# Altium PCB display.PcbDoc (part 4 of 5)
Units mm, origin at the board's own origin, x right, y up, seen from the top; angles counter-clockwise.
Board outline 150 x 85 mm, 4 copper layers (Component Side, Inner, GND1, Bottom Layer), stack 1.669 mm thick; 347 components, 347 nets, 1334 pads, 795 vias.
Unrouted connection lines stored in the file: 15.
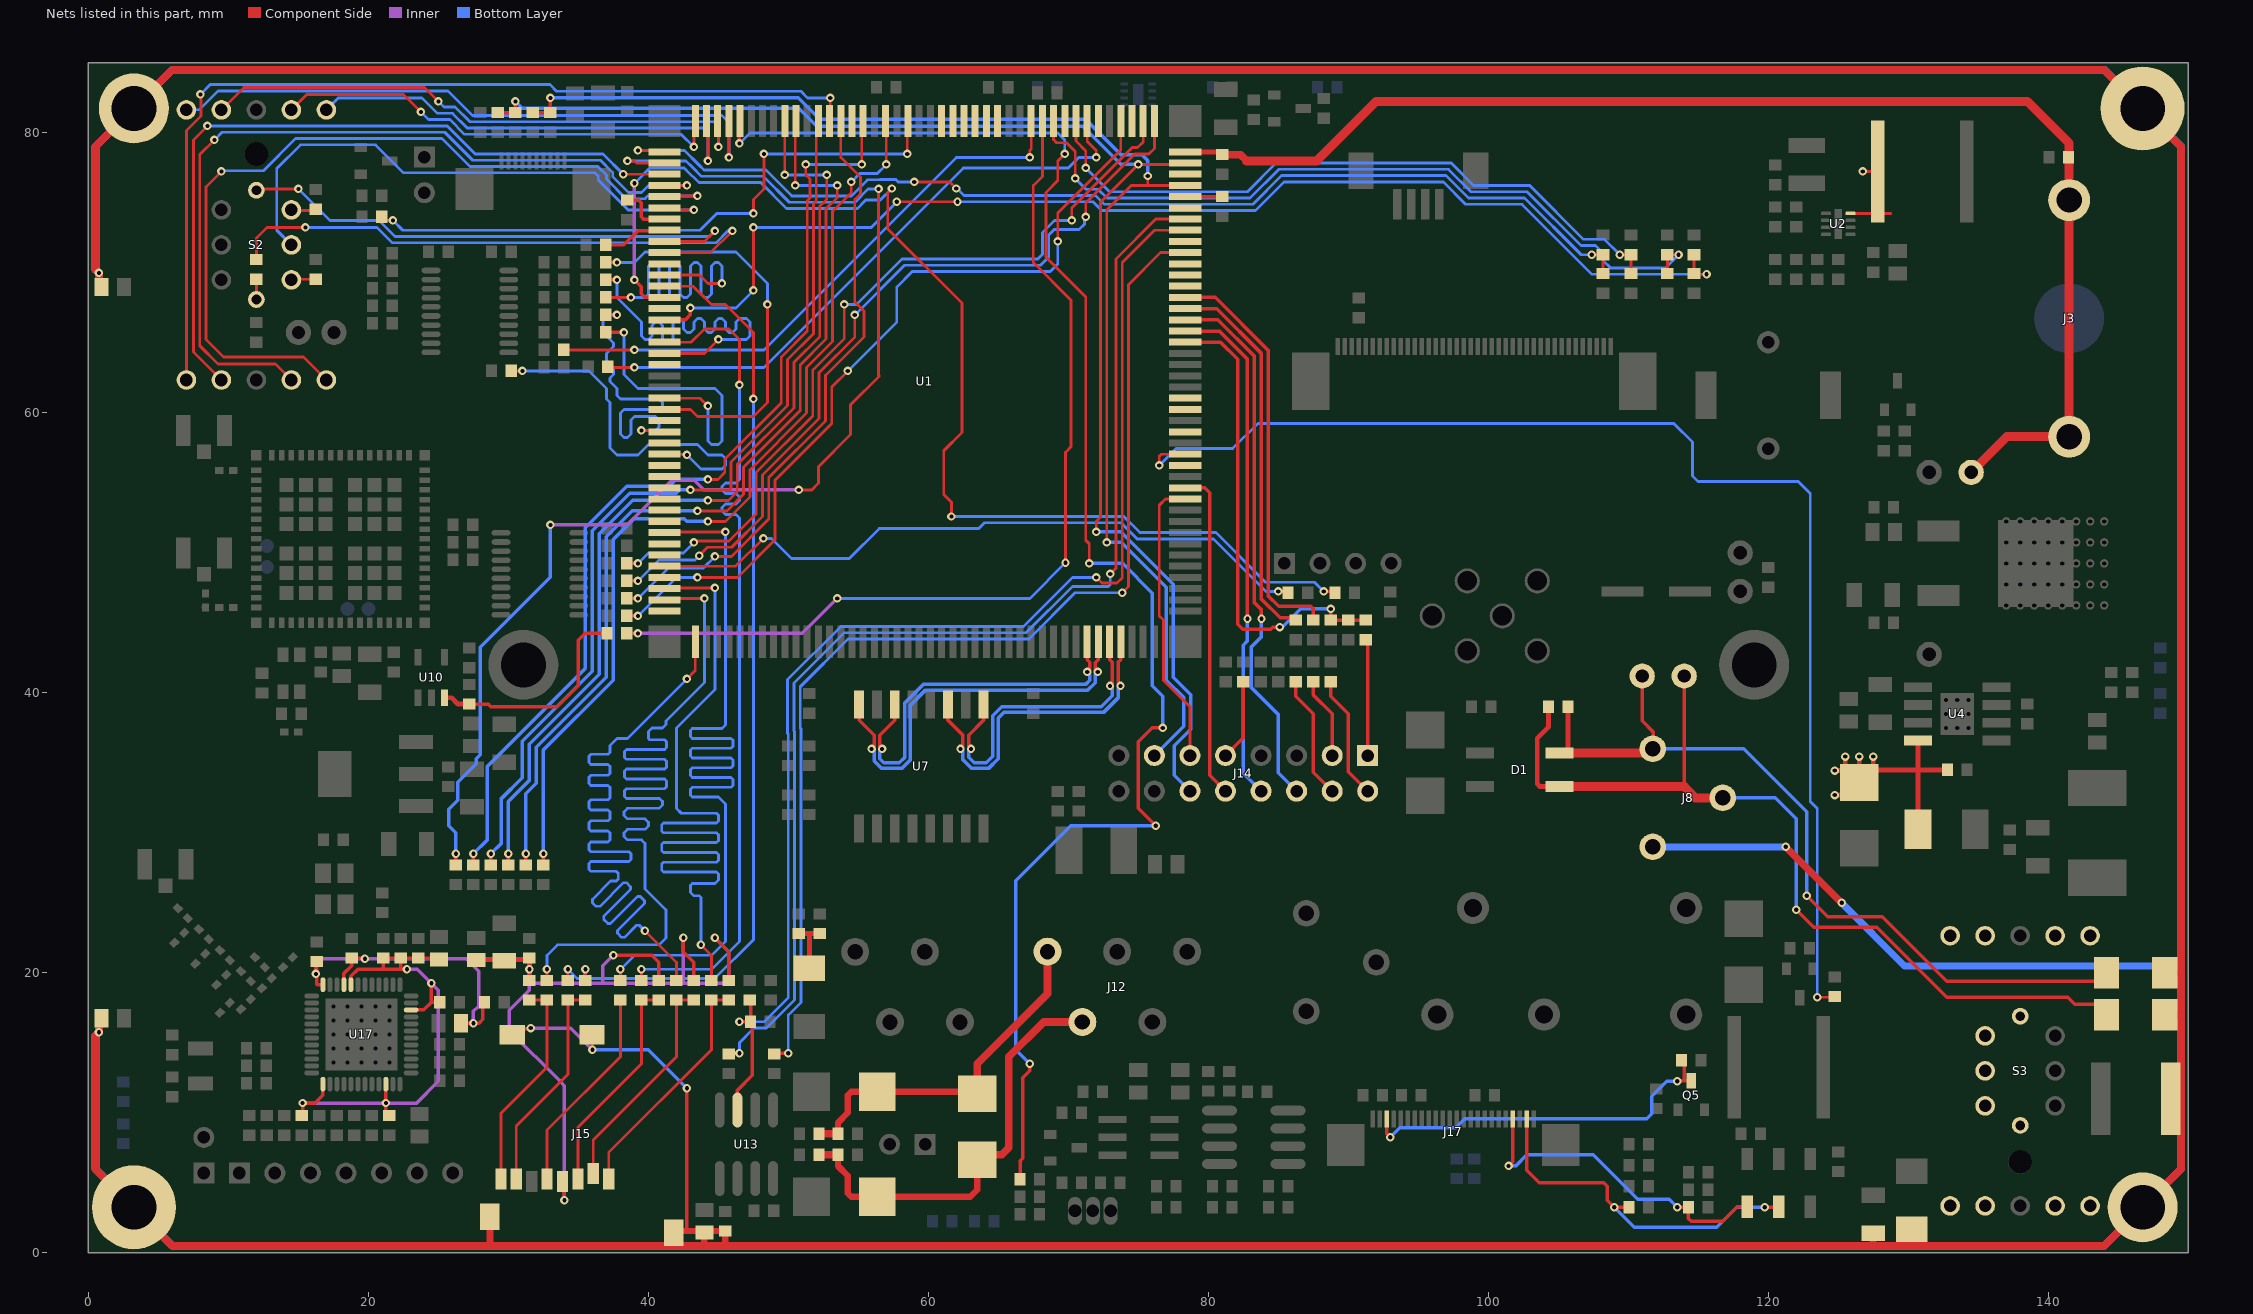
[diagram p6: the nets of this part, all layers, seen from the top]

## Via types
v1: diameter 0.6, hole 0.3, Component Side to Bottom Layer, 795 vias

## Nets (pads, with @x,y where several pads share a name; then routed paths per layer and width w, separated by ;. In a path a pad name is that pad's centre, name@x,y a point inside that pad or via, vN(x,y) a via of type N, cw(c..) or ccw(c..) an arc to the next point about the centre after c; other vN are vias at no path point) (continued)
PB15_G0_TX3_SPI2_NPCS2_PWML0_E2: R76.2 U1.99 | length 91.3
  Component Side w0.2: v1(76.5,56.25) 76.5,56.9 76.65,57.05 U1.99@78.35,57.05 ; v1(123.5,18.25) R76.2@124.75,18.25
  Bottom Layer w0.2: v1(76.5,56.25) 77.7,57.45 81.741,57.45 83.541,59.25 113.25,59.25 114.581,57.919 114.581,55.5 114.981,55.1 122.15,55.1 123,54.25 123,32.25 123.5,31.75 v1(123.5,18.25)
PB18_SPI1_MISO_K2: J14.8 U1.110 | length 36.8
  Component Side w0.25: U1.110@78.35,65.85 80.779,65.85 82.8,63.829 v1(82.8,45.3)
  Bottom Layer w0.25: v1(82.8,45.3) 82.8,43.712 82.5,43.412 82.5,34.25 J14.8@83.77,32.98
PB19_SPI1_MOSI_C1: J14.11 U1.95 | length 20.8
  Component Side w0.2: U1.95@78.35,53.85 76.95,53.85 76.5,53.4 76.5,45.5 76.8,45.2 76.8,40.9 78.69,39.01 J14.11@78.69,35.52
PB20_SPI1_SPCK__D1: J14.10 U1.96 | length 23.7
  Component Side w0.25: U1.96@78.35,54.65 79.75,54.65 80.1,54.3 80.1,34.11 J14.10@81.23,32.98
PB21_SPI1_NPCS0_L3: J14.6 U1.111 | length 38.9
  Component Side w0.25: U1.111@78.35,66.65 80.686,66.65 83.3,64.036 83.3,46.45 83.8,45.95 v1(83.8,45.3)
  Bottom Layer w0.25: v1(83.8,45.3) 83.8,44.004 83.075,43.28 83.075,40.382 85,38.457 85,34.29 J14.6@86.31,32.98
PB22_SPI1_NPCS1_G1: U1.101
PB23_SPI1_NPCS2_H1: U1.103
PB24_DRXD_TDI_E1: U1.98
PB25_DTXD_TDO_J1: U1.104
PB26_PCK0_RK0_PWMH0_M5: R145.2 U1.157 | length 66.9
  Component Side w0.2: v1(43,54.5) 45.841,54.5 45.9,54.559 45.9,56.491 49.95,60.541 49.95,63.801 51.8,65.651 51.8,74.959 52,75.159 52,80.7 U1.157@52.15,80.85
  Component Side w0.25: R145.2@28.75,27.7 v1(28.75,28.5)
  Bottom Layer w0.25: v1(28.75,28.5) 29.475,29.225 29.475,32.42 31,33.945 31,36.536 36,41.536 36,51.576 38.674,54.25 42,54.25 42.25,54.5 v1(43,54.5)
PB27_SPI1_NPCS3_TK0_PWML0_L2: R120.2 U1.113 | length 29.4
  Component Side w0.25: U1.113@78.35,68.25 80.5,68.25 84.3,64.45 84.3,46.907 85.032,46.175 87.325,46.175 87.5,46 R120.2@87.5,45.2
PB28_SPI2_NPCS3_TD0_PWMH1_K1: R116.2 R122.2 R124.2 U1.109 | length 33.9
  Component Side w0.25: U1.109@78.35,65.05 80.872,65.05 82.1,63.822 82.1,44.9 82.45,44.55 84.45,44.55 84.6,44.7 85.1,44.7 v1(85.104,44.695) ; v1(88.75,46) R122.2@88.75,45.2 R116.2@90,45.2 R124.2@91.25,45.2
  Bottom Layer w0.25: v1(85.104,44.695) 85.295,44.695 86.6,46 v1(88.75,46)
PB29_TWD2_RD0_PWML1_M3: R50.1 U1.137 | length 66.5
  Component Side w0.2: U1.137@68.15,80.85 68.15,76.9 67.5,76.25 67.5,70.75 70.2,68.05 70.2,57.583 69.8,57.183 v1(69.8,49.3)
  Component Side w0.25: R50.1@38.45,44.25 v1(39.25,44.25)
  Inner w0.25: v1(39.25,44.25) 51,44.25 v1(53.5,46.75)
  Bottom Layer w0.2: v1(53.5,46.75) 67.25,46.75 v1(69.8,49.3)
PB30_TWCK2_RF0_M4: U1.129
PB31_TF0_L1: R118.2 U1.112 | length 27.4
  Component Side w0.25: U1.112@78.35,67.45 80.593,67.45 83.8,64.243 83.8,46.7 85.13,45.37 86.08,45.37 R118.2@86.25,45.2
PC0_SPI0_MISO_PWMH2_ISI_D8: R147.2 U1.153 | length 70.8
  Component Side w0.2: v1(44.25,55.25) 44.977,55.25 45.45,55.723 45.45,56.678 49.5,60.728 49.5,63.988 51.35,65.838 51.35,75.146 51.55,75.346 51.55,76.7 51.25,77 v1(51.25,77.75) ; v1(55.25,77.75) 55.25,80.75 U1.153@55.35,80.85
  Component Side w0.25: R147.2@27.5,27.7 v1(27.5,28.5)
  Bottom Layer w0.2: v1(51.25,77.75) v1(55.25,77.75)
  Bottom Layer w0.25: v1(27.5,28.5) 28.475,29.475 28.475,34.718 35.5,41.743 35.5,51.783 38.467,54.75 41.5,54.75 42,55.25 v1(44.25,55.25)
PC1_SPI0_MOSI_PWML2_ISI_D9_P8: R149.2 U1.159 | length 69.4
  Component Side w0.2: v1(43.5,53) 45.614,53 46.8,54.186 46.8,56.118 50.85,60.168 50.85,63.428 52.7,65.278 52.7,74.586 53.5,75.386 v1(53.5,76.25) ; v1(50.5,76.25) 50.5,80.8 U1.159@50.55,80.85
  Component Side w0.25: R149.2@31.25,27.7 v1(31.25,28.5)
  Bottom Layer w0.2: v1(50.5,76.25) v1(53.5,76.25)
  Bottom Layer w0.25: v1(31.25,28.5) 31.25,32.781 32,33.531 32,36.121 37,41.121 37,51.162 38.838,53 v1(43.5,53)
PC2_SPI0_SPCK_PWMH3_ISI_D10_V5: R151.2 U1.151 | length 68.1
  Component Side w0.2: v1(44.25,52.25) 45.5,52.25 47.25,54 47.25,55.932 51.3,59.982 51.3,63.242 53.15,65.092 53.15,74.4 54.5,75.75 v1(54.5,76.5) ; U1.151@56.95,80.85 57,80.8 v1(57,77.75)
  Component Side w0.25: R151.2@32.5,27.7 v1(32.5,28.5)
  Bottom Layer w0.2: v1(54.5,76.5) 55.1,77.1 56.35,77.1 v1(57,77.75)
  Bottom Layer w0.25: v1(32.5,28.5) 32.5,35.914 37.5,40.914 37.5,50.955 38.97,52.425 42.575,52.425 42.75,52.25 v1(44.25,52.25)
PC3_SPI0_NPCS0_PWML3_ISI_D11_T9: R152.2 U1.2 | length 93.6
  Component Side w0.2: v1(38.5,78) 39,78 39.15,77.85 U1.2@41.15,77.85 ; v1(50.75,54.5) 51.669,54.5 52.15,54.981 52.15,56.15 54.45,58.45 54.45,60.586 56.5,62.636 56.45,62.686 v1(56.45,76)
  Component Side w0.25: R152.2@26.25,27.7 v1(26.25,28.5)
  Inner w0.25: v1(33,52) 38.5,52 41.675,55.175 43.28,55.175 43.955,54.5 v1(50.75,54.5)
  Bottom Layer w0.2: v1(38.5,78) 42.694,78 43.15,77.544 ; 43.15,77.544 43.794,76.9 48.214,76.9 50.064,75.05 54.744,75.05 55.694,76 v1(56.45,76)
  Bottom Layer w0.25: v1(26.25,28.5) 26.25,30 25.75,30.5 25.75,31.695 26.375,32.32 26.375,33.625 27.696,34.946 27.696,35.282 28,35.586 28,43.25 33,48.25 v1(33,52)
PC4_SPI0_NPCS1_MCI0_CK_PCK1_W5_INT: R56.2 U1.138 | length 41.6
  Component Side w0.2: R56.2@33.95,64.5 v1(39,64.5) ; v1(67.25,78.25) 67.25,78.75 67.35,78.85 U1.138@67.35,80.85
  Bottom Layer w0.2: v1(39,64.5) 48.25,64.5 62,78.25 v1(67.25,78.25)
PC19_ISI_D0_TK1_U14: R15.2 U1.7 | length 3.8
  Component Side w0.25: R15.2@38.5,75.2 39.3,75.2 39.5,75 39.5,74 39.65,73.85 U1.7@41.15,73.85
PC20_ISI_D1_TF1_V11: S2.R4 S3.R4 U1.3 | length 53.5
  Component Side w0.2: v1(8.5,80.5) 7.5,79.5 7.5,64.35 S2.R4@9.5,62.35 ; v1(38.207,77.05) U1.3@41.15,77.05
  Bottom Layer w0.2: v1(8.5,80.5) 25.636,80.5 27.636,78.5 36.757,78.5 v1(38.207,77.05)
PC21_ISI_D2_TD1_U15: R16.2 U1.8 | length 4.6
  Component Side w0.25: R16.2@36.95,72 38.25,72 39.275,73.025 41.15,73.025 U1.8@41.15,73.05
PC23_ISI_D4_RD1_U16: R101.2 U1.10 | length 42.2
  Component Side w0.2: R101.2@12,70.95 12,72.5 12.75,73.25 v1(15.5,73.25) ; U1.10@41.15,71.45 44.45,71.45 v1(46,73)
  Bottom Layer w0.2: v1(15.5,73.25) 20.614,73.25 21.714,72.15 44.819,72.15 45.669,73 v1(46,73)
PC25_ISI_D6_TWD3_URXD1_V17: U1.25
PC26_ISI_D7_TWCK3_UTXD1_R16: U1.11
PC27_AD0_SPI0_NPCS1_PWML0_U12: R11.2 R12.2 U1.136 | length 55.4
  Component Side w0.2: U1.136@68.95,80.85 68.95,79.519 69.169,79.3 69.869,79.3 70.5,78.669 v1(70.5,76.75) ; R12.2@112.8,69.95 R11.2@112.8,71.3 v1(113.6,71.3)
  Bottom Layer w0.2: v1(70.5,76.75) 71.269,75.981 72.133,75.981 72.764,75.35 82.986,75.35 85.036,77.4 97.168,77.4 98.768,75.8 102.778,75.8 106.628,71.95 107.669,71.95 108.2,71.419 108.2,70.9 108.75,70.35 112.65,70.35 v1(113.6,71.3)
PC28_AD1_SPI0_NPCS2_PWML1_T11: R7.2 R8.2 U1.134 | length 48.2
  Component Side w0.2: U1.134@70.55,80.85 70.55,79.419 71.25,78.719 v1(71.25,77.5) ; v1(109.4,71.3) R8.2@110.2,71.3 R7.2@110.2,69.95
  Bottom Layer w0.2: v1(71.25,77.5) 72.95,75.8 82.8,75.8 84.85,77.85 97.355,77.85 98.955,76.25 102.965,76.25 106.815,72.4 108.3,72.4 v1(109.4,71.3)
PC29_AD2_SPI0_NPCS3_PWMFI0_R13: R13.2 R14.2 U1.16 | length 87.2
  Component Side w0.2: v1(47.5,68.75) v1(47.5,73.25) ; v1(57.75,75.081) v1(62.081,75.081) ; R14.2@114.7,71.3 R13.2@114.7,69.95 114.75,69.9 v1(115.6,69.9)
  Component Side w0.25: U1.16@41.15,66.65 42.65,66.65 43,67 v1(43,67.5)
  Bottom Layer w0.2: v1(43,67.5) 46.25,67.5 v1(47.5,68.75) ; v1(47.5,73.25) 55.919,73.25 v1(57.75,75.081) v1@57.75,75.25 ; v1(62.081,75.081) 71.76,75.081 72.391,74.45 83.359,74.45 85.409,76.5 96.796,76.5 98.396,74.9 102.406,74.9 107.406,69.9 v1(115.6,69.9)
PC30_AD3_PWMH0_T12: R9.2 R10.2 U1.1 | length 78.1
  Component Side w0.2: v1(39.25,78.75) 40.75,78.75 41,78.5 U1.1@41.15,78.65 ; v1(59,76.5) 61.531,76.5 v1(62,76.031) ; v1(107.4,71.3) R9.2@108.2,71.3 R10.2@108.2,69.95
  Bottom Layer w0.2: v1(39.25,78.75) 42.581,78.75 43.6,77.731 43.981,77.35 48.4,77.35 50.25,75.5 54.5,75.5 55.65,76.65 56.536,76.65 56.567,76.681 57.669,76.681 57.85,76.5 v1(59,76.5) ; v1(62,76.031) 62.05,76.031 62.55,75.531 71.946,75.531 72.577,74.9 83.173,74.9 85.223,76.95 96.982,76.95 98.582,75.35 102.592,75.35 106.642,71.3 v1(107.4,71.3)
PC31_AD4_PWMH1_T13: S2.P2 S3.P2 U1.6 | length 40.6
  Component Side w0.2: U1.6@41.15,74.65 41.3,74.5 v1(43.25,74.5)
  Bottom Layer w0.2: S2.P2@14.5,72 13.45,73.05 13.45,77.45 15.15,79.15 20.5,79.15 22.5,77.15 36.197,77.15 36.416,76.932 36.416,76.649 38.565,74.5 v1(43.25,74.5)
PD8_PCK0_M1: U1.114
PD9_FIQ_M2: U1.115
PD10_CTS0_N2: U1.118
PD11_RTS0_SPI2_MISO_N3: R67.2 R73.2 U1.119 U13.3 | length 91.3
  Component Side w0.2: v1(72,48.25) 72.4,47.85 73.486,47.85 73.85,48.214 73.85,70.743 76.157,73.05 U1.119@78.35,73.05
  Component Side w0.25: U13.3@46.365,10.2 46.365,11.615 47.425,12.675 47.425,16.375 R67.2@47.3,16.5 ; v1(46.5,16.5) R67.2@47.3,16.5 ; R73.2@47.25,18.05 47.3,18 R67.2@47.3,16.5
  Bottom Layer w0.2: v1(46.5,16.5) 48.25,16.5 50,18.25 50,37.058 49.95,37.108 49.95,40.95 53.75,44.75 66.808,44.75 70.308,48.25 v1(72,48.25)
PD12_RXD0_N1: R65.2 U1.117 | length 80.6
  Component Side w0.2: v1(73.85,47.15) 74.3,47.6 74.3,69.157 76.593,71.45 U1.117@78.35,71.45
  Component Side w0.25: R65.2@49,14.2 49.05,14.25 v1(50,14.25)
  Bottom Layer w0.2: v1(50,14.25) 50,16.977 50.9,17.877 50.9,37.431 50.85,37.481 50.85,40.436 54.264,43.85 67.181,43.85 70.481,47.15 v1(73.85,47.15)
PD13_TXD0_SPI2_MOSI_P3: R70.2 U1.120 | length 84.5
  Component Side w0.2: v1(73,48.5) 73.4,48.9 73.4,71 76.25,73.85 U1.120@78.35,73.85
  Component Side w0.25: R70.2@45.75,14.2 45.8,14.25 v1(46.5,14.25)
  Bottom Layer w0.2: v1(46.5,14.25) 46.5,15 47.55,16.05 48.436,16.05 50.45,18.064 50.45,37.244 50.4,37.294 50.4,40.693 54.007,44.3 66.994,44.3 70.294,47.6 72.85,47.6 73,47.75 v1(73,48.5)
PD14_CTS1_P2: R38.1 U1.130 | length 58.8
  Component Side w0.2: v1(43.5,48.25) 46.364,48.25 49.05,50.936 49.05,55.186 53.1,59.236 53.1,61.85 v1(54.25,63) ; v1(69.25,72.25) 69.25,74.273 73.75,78.773 U1.130@73.75,80.85
  Component Side w0.25: R38.1@38.45,45.5 v1(39.25,45.5)
  Bottom Layer w0.2: v1(39.25,45.5) 42,48.25 v1(43.5,48.25) ; v1(54.25,63) 57.75,66.5 57.75,69 58.85,70.1 68.714,70.1 69.25,70.636 v1(69.25,72.25)
PD15_RTS1_SPI2_SPCK_N4: R37.1 U1.155 | length 44.8
  Component Side w0.2: v1(44.75,49.75) 45.942,49.75 48.6,52.408 48.6,55.373 52.65,59.423 52.65,62.683 55.4,65.433 55.4,67.269 54.75,67.919 54.75,75.25 55.15,75.65 55.15,76.85 53.75,78.25 U1.155@53.75,80.85
  Component Side w0.25: R37.1@38.45,46.75 v1(39.25,46.75)
  Bottom Layer w0.2: v1(39.25,46.75) 41.425,48.925 43.925,48.925 v1(44.75,49.75)
PD16_RXD1_R2: R36.1 U1.127 | length 58.8
  Component Side w0.2: v1(43.631,49.8) 44.231,50.4 45.956,50.4 48.15,52.594 48.15,55.559 52.2,59.609 52.2,62.869 54.75,65.419 v1(54.75,67) ; v1(71.25,74) 71.25,75 74.75,78.5 75.75,78.5 76.15,78.9 U1.127@76.15,80.85
  Component Side w0.25: R36.1@38.45,48 v1(39.25,48)
  Bottom Layer w0.2: v1(39.25,48) 40.75,49.5 43.331,49.5 v1(43.631,49.8) ; v1(54.75,67) 58.3,70.55 68,70.55 68.6,71.15 68.6,72.7 69,73.1 70.769,73.1 71.15,73.481 71.15,73.9 v1(71.25,74)
PD17_TXD1_SPI2_NPCS0_R3: R35.1 U1.128 | length 57.4
  Component Side w0.2: v1(43.25,50.75) 43.35,50.85 45.769,50.85 47.7,52.781 47.7,55.746 51.75,59.796 51.75,63.056 54,65.306 v1(54,67.75) ; v1(70.25,73.75) 70.25,74.636 74.564,78.95 74.95,78.95 75.35,79.35 U1.128@75.35,80.85
  Component Side w0.25: R35.1@38.45,49.25 v1(39.25,49.25)
  Bottom Layer w0.2: v1(39.25,49.25) 40,50 42.5,50 v1(43.25,50.75) ; v1(54,67.75) 54.863,67.75 58.114,71 67.814,71 68.15,71.336 68.15,72.886 69.014,73.75 v1(70.25,73.75)
PD19_P11: S2.R8 S3.R8 U1.168 | length 32.7
  Component Side w0.2: S2.R8@14.5,81.65 15.6,82.75 22.5,82.75 v1(23.75,81.5) ; v1(43.25,79) 43.25,80.75 U1.168@43.35,80.85
  Bottom Layer w0.2: v1(23.75,81.5) 24.3,80.95 25.823,80.95 26.873,79.9 42.35,79.9 v1(43.25,79)
PD21_P10: S2.R2 S3.R2 U1.165 | length 45.3
  Component Side w0.2: v1(45.75,78.25) U1.165@45.75,80.85
  Bottom Layer w0.2: S2.R2@7,81.65 7.9,81.65 9.25,83 25.682,83 27.432,81.25 45.25,81.25 45.75,80.75 v1(45.75,78.25)
PD22_U11: S2.R5 S3.R5 U1.4 | length 60.4
  Component Side w0.2: v1(9,79.5) 7.95,78.45 7.95,64.8 9.25,63.5 13.35,63.5 S2.R5@14.5,62.35 ; U1.4@41.15,76.25 v1(42.75,76.25)
  Bottom Layer w0.2: v1(9,79.5) 9.55,80.05 25.45,80.05 27.45,78.05 36.57,78.05 37.45,77.17 37.45,76.887 38.587,75.75 39.5,75.75 40,76.25 v1(42.75,76.25)
PD23_R10: S2.R1 S3.R1 U1.166 | length 40.7
  Component Side w0.2: S2.R1@9.5,81.65 11.1,83.25 24,83.25 v1(25,82.25) ; U1.166@44.95,80.85 45,80.8 v1(45,79)
  Bottom Layer w0.2: v1(25,82.25) 25.4,81.85 26.196,81.85 27.246,80.8 44.7,80.8 45,80.5 v1(45,79)
PD24_U10: S2.R7 S3.R7 U1.167 | length 33.5
  Component Side w0.2: U1.167@44.15,80.85 44.25,80.75 v1(44.25,78)
  Bottom Layer w0.2: S2.R7@17,81.65 17.85,82.5 23.831,82.5 24.931,81.4 26.009,81.4 27.059,80.35 43.9,80.35 44.25,80 v1(44.25,78)
PD25_R11: S2.R6 S3.R6 U1.5 | length 61.6
  Component Side w0.2: v1(9.5,77.25) 8.4,76.15 8.4,65.25 9.65,64 15.35,64 S2.R6@17,62.35 ; U1.5@41.15,75.45 41.2,75.5 v1(43.5,75.5)
  Bottom Layer w0.2: v1(9.5,77.25) 9.55,77.3 12.497,77.3 14.797,79.6 25.264,79.6 27.264,77.6 36.384,77.6 37,76.984 37,76.701 38.401,75.3 39.75,75.3 39.95,75.5 v1(43.5,75.5)
PD26_U13: R58.2 U1.133 | length 44.1
  Component Side w0.2: R58.2@36.95,63.25 v1(39,63.25) ; U1.133@71.35,80.85 71.35,79.4 72,78.75 v1(72,78.25)
  Bottom Layer w0.2: v1(39,63.25) 48.25,63.25 62.5,77.5 70,77.5 70.75,78.25 v1(72,78.25)
PD27_T14: R143.2 U1.160 | length 69.6
  Component Side w0.2: v1(44.25,53.75) 45.727,53.75 46.35,54.373 46.35,56.305 50.4,60.355 50.4,63.615 52.25,65.465 52.25,74.773 52.75,75.273 v1(52.75,77) ; v1(49.75,77) U1.160@49.75,80.85
  Component Side w0.25: R143.2@30,27.7 v1(30,28.5)
  Bottom Layer w0.2: v1(49.75,77) v1(52.75,77)
  Bottom Layer w0.25: v1(30,28.5) 30,32.238 31.5,33.738 31.5,36.328 36.5,41.328 36.5,51.369 38.881,53.75 v1(44.25,53.75)
PD28_SCK0_R1: R107.2 U1.122 | length 2.6
  Component Side w0.25: U1.122@78.35,75.45 R107.2@81,75.45
PD29_SCK1_P1: U1.121
PD31_SPI0_NPCS2_PCK1_P5: S2.R3 S3.R3 U1.156 | length 68.2
  Component Side w0.2: S2.R3@7,62.35 7,80.165 8.05,81.215 8.05,82.7 v1(8,82.75) ; U1.156@52.95,80.85 53,80.9 v1(53,82.5)
  Bottom Layer w0.2: v1(8,82.75) 8.7,83.45 32.969,83.45 33.444,82.975 50.904,82.975 51.379,82.5 v1(53,82.5)
PE0_MCI0_CDB_CTS4_W19_INT: R57.2 U1.28 | length 26.2
  Component Side w0.2: R57.2@30.2,63 v1(31,63) ; U1.28@41.15,57.05 42.7,57.05 v1(42.75,57)
  Bottom Layer w0.2: v1(31,63) 35.75,63 37,61.75 37,61 37.25,60.75 37.25,57.5 37.75,57 39.25,57 40,57.75 43.5,57.75 44.25,57 45.25,57 45.5,56.75 45.5,56.25 45.25,56 43.75,56 v1(42.75,57)
PE1_MCI0_DB0_U17_INT: R55.2 U1.23 | length 22.2
  Component Side w0.2: U1.23@41.15,61.05 43.7,61.05 v1(44.25,60.5)
  Component Side w0.25: R55.2@36.95,65.75 v1(38.25,65.75)
  Bottom Layer w0.2: v1(38.25,65.75) 38.25,62.75 39.25,61.75 44.75,61.75 45.25,61.25 45.25,58 45,57.75 44.5,57.75 44.25,58 v1(44.25,60.5)
PE2_MCI0_DB1_T17_INT: R54.2 U1.26 | length 24.7
  Component Side w0.2: v1(39.5,58.75) 40.75,58.75 41,58.5 U1.26@41.15,58.65
  Component Side w0.25: R54.2@36.95,67 v1(37.75,67)
  Bottom Layer w0.2: v1(37.75,67) 37,67 36.75,66.75 36.75,65.75 37.5,65 37.5,64.75 37,64.25 37,63.75 37.5,63.25 37.5,62.75 37.25,62.5 37.25,62.25 37.75,61.75 37.75,61.25 38,61 40.75,61 41,60.75 41,60.5 40.75,60.25 38.25,60.25 38,60 38,58.5 38.25,58.25 38.5,58.25 38.75,58.5 38.75,59.5 39,59.75 40.5,59.75 40.75,59.5 40.75,59 40.5,58.75 v1(39.5,58.75)
PE3_MCI0_DB2_P16_INT: R53.2 U1.12 | length 29.5
  Component Side w0.2: R53.2@36.95,68.25 v1(38.75,68.25) ; U1.12@41.15,69.85 43.65,69.85 44.25,69.25 v1(45.25,69.25)
  Bottom Layer w0.2: v1(38.75,68.25) 39.75,68.25 40,68.5 40,70.5 40.25,70.75 40.5,70.75 40.75,70.5 40.75,68.5 41,68.25 41.25,68.25 41.5,68.5 41.5,70.5 41.75,70.75 42,70.75 42.25,70.5 42.25,68.5 42.5,68.25 42.75,68.25 43,68.5 43,70.5 43.25,70.75 43.5,70.75 43.75,70.5 43.75,68.5 44,68.25 44.25,68.25 44.5,68.5 44.5,70.5 44.75,70.75 45,70.75 45.25,70.5 v1(45.25,69.25)
PE4_MCI0_DB3_U18_INT: R52.2 U1.19 | length 29
  Component Side w0.2: U1.19@41.15,64.25 44,64.25 v1(45,65.25)
  Component Side w0.25: R52.2@36.95,69.5 v1(37.75,69.5)
  Bottom Layer w0.2: v1(37.75,69.5) 37.75,68.25 39.5,66.5 39.5,65.5 39.75,65.25 40,65.25 40.25,65.5 40.25,66.25 40.5,66.5 40.75,66.5 41,66.25 41,65.25 41.25,65 41.5,65 41.75,65.25 41.75,66.5 42,66.75 42.25,66.75 42.5,66.5 42.5,66 42.75,65.75 43,65.75 43.25,66 43.25,66.5 43.5,66.75 43.75,66.75 44,66.5 44,66 44.25,65.75 44.5,65.75 44.75,66 44.75,66.5 45,66.75 45.25,66.75 45.5,66.5 45.5,66 45.75,65.75 46,65.75 46.25,66 46.25,66.5 46.5,66.75 47,66.75 47.25,66.5 47.25,65.5 47,65.25 v1(45,65.25)
PE5_CTS3_R17: U1.20
PE6_TIOA3_V19: U1.30
PE7_TIOB3_PWMFI1_U19: U1.31
PE8_TCLK3_PWML3_T19_INT: R51.2 U1.24 | length 29.3
  Component Side w0.2: U1.24@41.15,60.25 43,60.25 43.5,59.75 47.5,59.75 48.5,60.75 v1(48.5,67.75)
  Component Side w0.25: R51.2@36.95,70.75 v1(37.75,70.75)
  Bottom Layer w0.2: v1(37.75,70.75) 39,70.75 39.75,71.5 46.25,71.5 48.5,69.25 v1(48.5,67.75)
PE9_TIOA2_T18: U1.32
PE10_TIOB2_N14: R84.2 U1.164 | length 115.1
  Component Side w0.2: v1(69.75,78.5) 69.25,78 69.25,76.6 68.4,75.75 68.4,71.123 71.25,68.273 71.25,50.9 71.5,50.65 v1(71.5,49.25)
  Component Side w0.25: v1(46.5,79.25) 46.5,80.8 U1.164@46.55,80.85 ; R84.2@66.55,5.25 66.55,6.55 66.75,6.75 66.75,12.5 67.25,13 v1(67.25,13.5) ; v1(76.25,30.5) 75,31.75 75,36.5 76,37.5 v1(76.75,37.5)
  Bottom Layer w0.2: v1(46.5,79.25) 47.25,80 69.25,80 69.75,79.5 v1(69.75,78.5)
  Bottom Layer w0.25: v1(67.25,13.5) 66.25,14.5 66.25,26.586 70.164,30.5 v1(76.25,30.5) ; v1(71.5,49.25) 73.879,49.25 76,47.129 76,40.5 76.75,39.75 v1(76.75,37.5)
PE11_TCLK2_R18: U1.36
PE12_TIOA1_PWMH2_P17: U1.27
PE13_TIOB1_PWML2_P18: U1.34
PE14_TCLK1_PWMH3_N17: U1.29
PE15_SCK3_TIOA0_N18: U1.39
PE16_RXD3_TIOB0_M15: R68.1 U1.14 | length 86.8
  Component Side w0.2: v1(57.4,76.031) 57.1,75.731 57.1,73.15 62.4,67.85 62.4,58.594 61.1,57.294 61.1,54.164 61.65,53.614 v1(61.65,52.6) ; v1(88.25,47.25) R68.1@89.05,47.25
  Component Side w0.25: v1(39,69.5) 39.5,69 39.5,68.5 39.75,68.25 U1.14@41.15,68.25
  Inner w0.25: v1(39,69.5) 39,76.5 v1(39,76.4)
  Bottom Layer w0.2: v1(39,76.4) 40.1,77.5 42.558,77.5 42.7,77.358 43.608,76.45 48.027,76.45 49.877,74.6 54.931,74.6 55.531,75.2 56.569,75.2 v1(57.4,76.031) ; v1(61.65,52.6) 73.958,52.6 75.108,51.45 80.55,51.45 84.1,47.9 87.6,47.9 v1(88.25,47.25)
PE17_TXD3_TCLK0_N19: R69.1 U1.38 | length 49.2
  Component Side w0.2: U1.38@41.15,49.05 46.231,49.05 v1(48.215,51.035) ; v1(85,47.25) R69.1@85.8,47.25
  Bottom Layer w0.2: v1(48.215,51.035) 48.796,51.035 50.231,49.6 54.35,49.6 56.5,51.75 63.6,51.75 64,52.15 73.772,52.15 74.922,51 80.364,51 84.114,47.25 v1(85,47.25)
PE18_MCI1_CK: J15.5 R97.2 | length 14.9
  Component Side w0.2: J15.5@32.765,5.275 32.765,8.765 38,14 R97.2@38,18.05
PE18_TIOA5_MCI1_CK_P19: R97.1 U1.35 | length 64.5
  Component Side w0.2: R97.1@38,19.45 v1(38,20.25) ; U1.35@41.15,51.45 41.2,51.5 v1(45.5,51.5)
  Bottom Layer w0.2: v1(38,20.25) 39,21.25 44.5,21.25 45.5,22.25 45.5,32.05 45,32.55 43.14,32.55 43,32.69 43,33.11 43.14,33.25 45.91,33.25 46.05,33.39 46.05,33.81 45.91,33.95 43.14,33.95 43,34.09 43,34.51 43.14,34.65 45.91,34.65 46.05,34.79 46.05,35.21 45.91,35.35 43.14,35.35 43,35.49 43,35.91 43.14,36.05 45.91,36.05 46.05,36.19 46.05,36.61 45.91,36.75 43.14,36.75 43,36.89 43,37.31 43.14,37.45 45.25,37.45 45.5,37.7 v1(45.5,51.5)
PE19_MCI1_CDA: J15.3 R88.2 R98.2 | length 15.9
  Component Side w0.2: J15.3@34.965,5.275 34.965,8.965 39.5,13.5 R98.2@39.5,18.05 R88.2@40.75,18.05
PE19_TIOB5_MCI1_CDA_N16: R98.1 U1.18 | length 61.5
  Component Side w0.2: R98.1@39.5,19.45 v1(39.5,20.25) ; U1.18@41.15,65.05 43.05,65.05 44,66 45.75,66 46.5,65.25 v1(46.5,62)
  Bottom Layer w0.2: v1(39.5,20.25) 44.5,20.25 46.5,22.25 46.5,52.5 46.25,52.75 45.5,52.75 45.25,53 45.25,53.25 45.5,53.5 46.25,53.5 46.5,53.75 46.5,54 46.25,54.25 45.5,54.25 45.25,54.5 45.25,54.75 45.5,55 46.25,55 46.5,55.25 v1(46.5,62)
PE20_MCI1_DA0: J15.7 R90.2 R95.2 | length 15.6
  Component Side w0.2: J15.7@30.565,5.275 30.565,9.065 34.25,12.75 R95.2@34.25,18.05 R90.2@35.5,18.05
PE20_TCLK5_MCI1_DA0_M14: R95.1 U1.13 | length 66.6
  Component Side w0.2: R95.1@34.25,19.45 v1(34.25,20.25) ; U1.13@41.15,69.05 43.2,69.05 44.5,67.75 45.5,67.75 47.5,65.75 v1(47.5,61)
  Bottom Layer w0.2: v1(34.25,20.25) 34.9,19.6 44.736,19.6 47.5,22.364 v1(47.5,61)
PE21_MCI1_DA1: J15.8 R89.2 R93.2 | length 15.4
  Component Side w0.2: J15.8@29.465,5.275 29.465,9.965 32.75,13.25 R93.2@32.75,18.05 R89.2@31.5,18.05
PE21_TIOA4_MCI1_DA1_M18: R93.1 U1.41 | length 65.2
  Component Side w0.2: R93.1@32.75,19.45 v1(32.75,20.25) ; U1.41@41.15,46.65 41.25,46.75 v1(44,46.75)
  Bottom Layer w0.2: v1(32.75,20.25) 32.75,21.25 33.5,22 40.75,22 41.25,22.5 41.25,24.5 39.75,26 39.75,29.25 39.5,29.5 38.5,29.5 38.25,29.75 38.25,30 38.5,30.25 39.75,30.25 40,30.5 40,30.75 39.75,31 38.5,31 38.25,31.25 38.25,31.5 38.5,31.75 40.75,31.75 41,32 41,32.25 40.8,32.45 38.434,32.45 38.294,32.59 38.294,33.01 38.434,33.15 41.166,33.15 41.306,33.29 41.306,33.71 41.166,33.85 38.434,33.85 38.294,33.99 38.294,34.41 38.434,34.55 41.166,34.55 41.306,34.69 41.306,35.11 41.166,35.25 38.434,35.25 38.294,35.39 38.294,35.81 38.434,35.95 41.166,35.95 41.306,36.09 41.306,36.51 41.166,36.65 40.1,36.65 40,36.75 40,37.25 40.25,37.5 41,37.5 41.25,37.75 41.25,38 44,40.75 v1(44,46.75)